# KiCad board Env-KB60C2.kicad_pcb (continued)
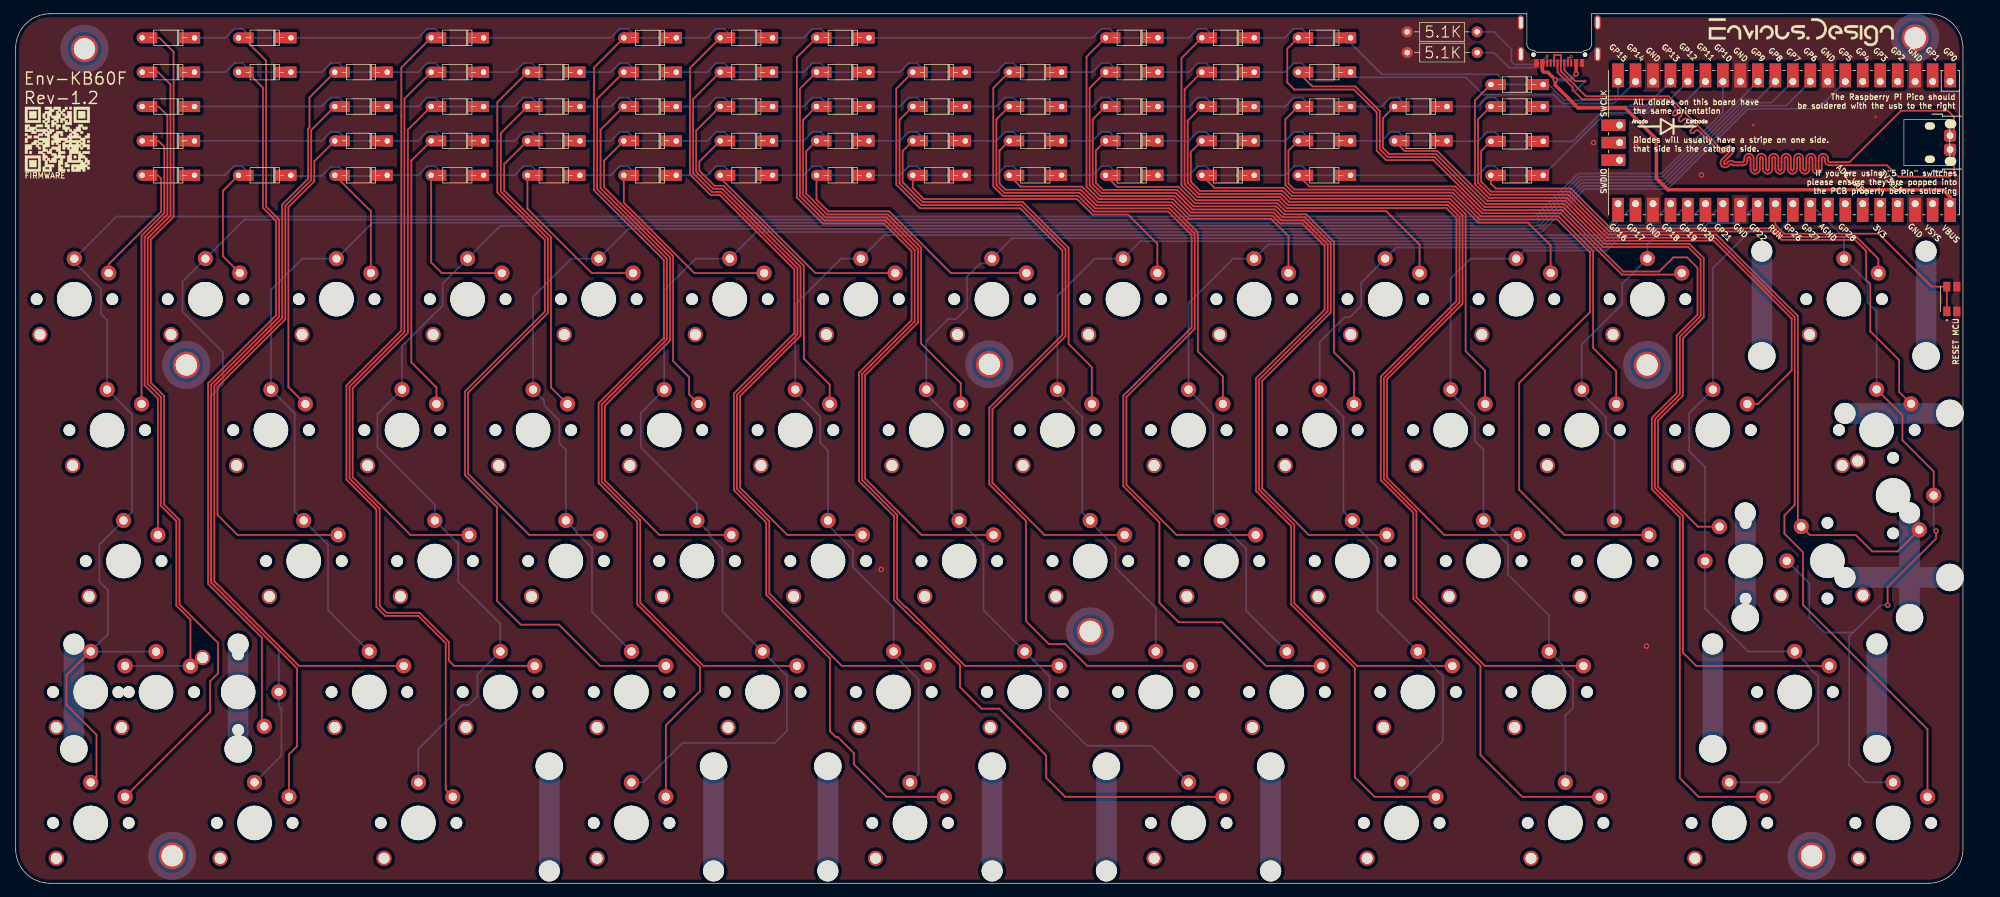
[diagram p0: board, top side]
## Routing (per net, layer and track width the routed paths; a pad name or vN(x,y) marks a point on that pad's centre or on a via; arc(x,y) is an arc through that point)
GND:
  vias: v1(125.8,45.65) v1(229.3,107.75) v1(235.5,107.75) v1(237,34.5) v1(245,103.05) v2(252.5,110.3) v2(270.3,111.5)
VBUS: length 77.8
  Top w0.5: v1(226.79,117.77) 226.77,117.78 USB1.A4 ; U1.40 281.13,99.87 280.1,100.9 240.1,100.9 238.45,102.55 238.45,108.25 233.9,112.8 227.06,112.8 223.75,116.11 v1(223.75,116.9) 222.67,117.98 222.12,117.98 221.88,118.22 USB1.A9
  Bottom w0.5: v1(226.79,117.77) 225.92,116.9 v1(223.75,116.9)
col0: length 349.1
  Top w0.25: K_45.1 9.73,32.55 9.65,32.55 7.4,30.3 7.4,25.95 11.75,21.6 11.75,15.52 K_58.1
  Bottom w0.25: K_45.1 13.4,36.22 13.4,42.65 12.17,43.88 12.17,49.28 K_30.1 16.9,54.01 16.9,68.21 K_15.1 13.29,81.94 12.4,82.83 12.4,86.5 8.53,90.38 K_1.1 14.65,97 220.8,97 227.05,103.25 239.16,103.25 248.11,112.2 U1.14 ; K_44.1 10.93,33.7
col1: length 322.9
  Bottom w0.25: K_59.1 38.62,18.58 38.62,25.43 38.24,25.81 K_46.1 38.24,33.89 28.35,43.78 28.35,70.85 30.1,72.6 30.1,77.3 24.25,83.15 24.25,87.55 K_2.1 33.25,96.55 221,96.55 227.25,102.8 239.35,102.8 U1.12
col2: length 289.7
  Bottom w0.25: U1.11 253.12,114.03 251.21,114.03 239.54,102.35 227.44,102.35 221.19,96.1 51.85,96.1 K_3.1 41.67,90.88 37.1,86.3 K_16.1 40.55,68.38 40.55,54.09 K_31.1 45.4,49.24 45.4,39.71 K_47.1
col3: length 297.7
  Bottom w0.25: K_60.1 58.53,19.53 64.91,25.91 65.79,25.91 67.1,27.22 67.1,30.39 K_48.1 70.44,37.74 64.32,43.85 64.32,49.36 K_32.1 60.91,55.11 52.57,63.45 52.57,68.25 K_17.1 56.15,78.15 62.05,84.05 62.05,87.25 K_4.1 70.45,95.65 221.38,95.65 227.63,101.9 239.72,101.9 251.4,113.58 255.2,113.58 U1.10
col4: length 256.1
  Bottom w0.25: U1.9 257.3,113.12 251.58,113.12 239.91,101.45 227.82,101.45 221.57,95.2 89.05,95.2 K_5.1 80.75,90.88 75.2,85.33 K_18.1 76.8,70.22 76.8,69.53 79.03,67.3 79.03,64.03 79.96,63.09 K_33.1 81.5,51.24 81.5,51.03 83.75,48.78 83.75,39.46 K_49.1
col5: length 284.2
  Bottom w0.25: K_610.1 91.18,14.68 96.9,20.4 110.32,20.4 112.07,22.15 112.07,30.19 K_50.1 102.72,39.54 102.72,48.66 100.83,50.55 100.83,50.96 K_34.1 99.01,55.24 90.85,63.4 90.85,68.42 K_19.1 94.25,86.28 98.85,90.88 K_6.1 107.65,94.75 221.75,94.75 228,101 240.1,101 251.77,112.67 261.93,112.67 U1.7
col6: length 202.8
  Bottom w0.25: K_51.1 127.59,40.09 121.65,46.03 121.65,48.53 118.06,52.11 ; U1.21 232.87,96.96 230.21,94.3 221.94,94.3 221.94,94.3 220.8,94.3 132.2,94.3 126.25,94.3 K_7.1 119.95,90.88 113.3,84.22 K_20.1 ; K_61.1 131.22,15.93 131.22,29.62 127.59,33.26 ; 113.3,71.55 116.93,67.92 116.93,64.08 118.06,62.94 K_35.1
col7: length 198.9
  Bottom w0.25: U1.22 230.4,93.85 144.85,93.85 K_8.1 141.18,90.17 140.18,90.17 138.25,88.25 138.25,83.65 136.7,82.1 135.55,82.1 132.35,78.9 K_21.1 ; K_612.1 165.12,20 155.7,20 150.25,25.45 150.25,30.11 K_52.1 140.65,39.71 140.65,49.24 K_36.1 136.03,53.86 136.03,67.5 132.35,71.17
col8: length 151.7
  Bottom w0.25: K_53.1 165.69,40.06 159.85,45.9 159.85,48.88 156.16,52.56 ; U1.24 237.33,95.7 232.95,95.7 230.65,93.4 224.55,93.4 163.45,93.4 K_9.1 156.82,90.88 151.4,85.45 K_22.1 ; K_37.1 155.03,53.91 155.03,67.78 151.4,71.4
col9: length 134.7
  Bottom w0.25: U1.25 239.87,95.7 237.97,95.7 237.52,95.25 233.14,95.25 230.84,92.95 226.95,92.95 182.05,92.95 K_10.1 176.93,90.88 170.45,84.4 K_23.1 172.35,69.92 172.35,69.83 174.05,68.12 174.05,53.94 K_38.1 ; 175.21,52.29 178.82,48.67 178.82,39.64 K_54.1
col10: length 139.5
  Bottom w0.25: K_62.1 207.4,20.67 207.4,30.11 K_55.1 197.9,39.61 197.9,48.8 194.26,52.44 ; K_39.1 192.95,54.09 192.95,58.92 192.98,58.95 192.98,67.83 189.5,71.3 ; K_24.1 189.5,78.72 193.1,82.33 193.88,82.33 195.55,84 195.55,87.4 K_11.1 200.65,92.5 231.02,92.5 233.32,94.8 237.7,94.8 238.15,95.25 240.06,95.25 240.51,95.7 242.41,95.7 U1.26
col11: length 124.7
  Bottom w0.25: K_25.1 208.55,87.97 211.45,90.88 K_12.1 219.25,92.05 231.21,92.05 233.51,94.35 237.89,94.35 238.34,94.8 240.24,94.8 240.69,95.25 242.6,95.25 243.05,95.7 244.95,95.7 U1.27 ; 208.55,71.33 212.05,67.83 212.05,64.35 213.31,63.09 K_40.1 216.88,49.21 216.88,44.9 222.84,38.94 K_56.1 224.93,31.64 224.93,31.05 226.32,29.65 226.32,25.5 225.22,24.39 K_63.1
col12: length 64.1
  Bottom w0.25: K_41.1 232.36,64.39 231.12,65.62 231.12,67.78 227.6,71.3 ; U1.29 250.38,96.05 245.94,96.05 245.14,95.25 243.25,95.25 242.8,94.8 241.18,94.8 240.88,94.8 240.43,94.35 238.55,94.35 237.12,92.93 K_13.1 233.48,87.22 233.48,84.25 227.6,78.38 K_26.1
col13: length 114.3
  Bottom w0.25: K_64.1 256.32,14.68 261.98,20.32 261.98,30.07 261.38,30.68 261.32,30.68 260.43,31.58 260.43,31.86 K_57.1 251.75,33.72 245.51,39.96 K_42.1 245.51,60.59 243.2,62.9 243.2,68.38 K_27.1 246.65,89.5 252,94.85 256.25,94.85 258.27,96.87 U1.31
col14: length 119.9
  Top w0.25: v1(279.1,51.25) 279.1,50.15 272.05,43.1 v1(272.05,40.45) ; K_43.1 278.74,59.91 274.2,64.45 274.2,68.1 K_28.1
  Bottom w0.25: K_43.1 278.74,51.61 v1(279.1,51.25) ; 267.34,36.81 266.45,35.92 266.45,17.15 268.93,14.68 K_65.1 ; 267.34,36.81 270.99,40.46 272.04,40.46 v1(272.05,40.45) ; 267.34,36.81 267,36.47 262.88,36.47 260.68,38.67 260.68,43.62 K_29.1 ; U1.32 265.7,93.97 K_14.1 269.12,87.45 269.12,84.5 270.45,83.17 K_28.1
row0: length 239.2
  Bottom w0.25: U1.15 242.45,113.53 238.65,113.53 237.22,112.1 231.1,112.1 D_14.1 216.3,103 215,104.3 213.8,104.3 212.5,103 D_13.1 188.3,103 187,104.3 185.8,104.3 184.5,103 D_12.1 174.3,103 173,104.3 171.8,104.3 170.5,103 D_11.1 160.3,103 159,104.3 157.8,104.3 156.5,103 D_10.1 146.3,103 145,104.3 143.8,104.3 142.5,103 D_9.1 132.3,103 131,104.3 129.8,104.3 128.5,103 D_8.1 118.3,103 117,104.3 115.8,104.3 114.5,103 D_7.1 104.3,103 103,104.3 101.8,104.3 100.5,103 D_6.1 90.3,103 89,104.3 87.8,104.3 86.5,103 D_5.1 76.3,103 75,104.3 73.8,104.3 72.5,103 D_4.1 62.3,103 61,104.3 59.8,104.3 58.5,103 D_3.1 ; 25.9,103 30.4,103 31.7,104.3 32.9,104.3 34.2,103 39.9,103 ; 40,102.9 44.5,102.9 45.8,104.2 47,104.2 48.3,102.9 54,102.9
row1: length 234.6
  Bottom w0.25: D_27.1 202.3,108 201,109.3 199.8,109.3 198.5,108 D_26.1 188.3,108 187,109.3 185.8,109.3 184.5,108 D_25.1 174.3,108 173,109.3 171.8,109.3 170.5,108 D_24.1 160.3,108 159,109.3 157.8,109.3 156.5,108 D_23.1 146.3,108 145,109.3 143.8,109.3 142.5,108 D_22.1 132.3,108 131,109.3 129.8,109.3 128.5,108 D_21.1 118.3,108 117,109.3 115.8,109.3 114.5,108 D_20.1 104.3,108 103,109.3 101.8,109.3 100.5,108 D_19.1 90.3,108 89,109.3 87.8,109.3 86.5,108 D_18.1 76.3,108 75,109.3 73.8,109.3 72.5,108 D_17.1 62.3,108 61,109.3 59.8,109.3 58.5,108 D_16.1 48.3,108 47,109.3 45.8,109.3 44.5,108 D_15.1 ; 208.02,107.95 212.52,107.95 213.82,109.25 215.02,109.25 216.32,107.95 222.02,107.95 ; D_28.1 226.3,107.94 230.91,112.55 237.04,112.55 238.46,113.97 240.37,113.97 U1.16
row2: length 230
  Bottom w0.25: D_29.1 44.5,113 45.8,114.3 47,114.3 48.3,113 D_30.1 58.5,113 59.8,114.3 61,114.3 62.3,113 D_31.1 72.5,113 73.8,114.3 75,114.3 76.3,113 D_32.1 86.5,113 87.8,114.3 89,114.3 90.3,113 D_33.1 100.5,113 101.8,114.3 103,114.3 104.3,113 D_34.1 114.5,113 115.8,114.3 117,114.3 118.3,113 D_35.1 128.5,113 129.8,114.3 131,114.3 132.3,113 D_36.1 142.5,113 143.8,114.3 145,114.3 146.3,113 D_37.1 156.5,113 157.8,114.3 159,114.3 160.3,113 D_38.1 170.5,113 171.8,114.3 173,114.3 174.3,113 D_39.1 184.5,113 185.8,114.3 187,114.3 188.3,113 D_40.1 198.5,113 199.8,114.3 201,114.3 202.3,113 D_41.1 212.5,113 213.8,114.3 215,114.3 216.3,113 D_42.1 236.85,113 U1.17
row3: length 225.5
  Bottom w0.25: D_43.1 30.5,118 31.8,119.3 33,119.3 34.3,118 D_44.1 44.5,118 45.8,119.3 47,119.3 48.3,118 D_45.1 58.5,118 59.8,119.3 61,119.3 62.3,118 D_46.1 72.5,118 73.8,119.3 75,119.3 76.3,118 D_47.1 86.5,118 87.8,119.3 89,119.3 90.3,118 D_48.1 100.5,118 101.8,119.3 103,119.3 104.3,118 D_49.1 114.5,118 115.8,119.3 117,119.3 118.3,118 D_50.1 128.5,118 129.8,119.3 131,119.3 132.3,118 D_51.1 142.5,118 143.8,119.3 145,119.3 146.3,118 D_52.1 156.5,118 157.8,119.3 159,119.3 160.3,118 D_53.1 170.5,118 171.8,119.3 173,119.3 174.3,118 D_54.1 184.44,118 185.74,119.3 186.94,119.3 188.24,118 D_55.1 194.76,117.24 210.76,117.24 213.25,114.75 223.5,114.75 224.8,113.45 232.22,113.45 U1.19
row4: length 221.9
  Bottom w0.25: U1.20 232.87,114.74 232.03,113.9 225.1,113.9 222.8,116.2 D_63.1 216.82,116.2 215.33,117.69 198.55,117.69 194,122.24 D_62.1 188.24,123 186.94,124.3 185.74,124.3 184.44,123 D_61.1 174.3,123 173,124.3 171.8,124.3 170.5,123 D_60.1 160.3,123 159,124.3 157.8,124.3 156.5,123 118.31,123 117.01,124.3 115.81,124.3 114.51,123 D_59.1 104.3,123 103,124.3 101.8,124.3 100.5,123 96,123 ; D_56.1 30.5,123 31.8,124.3 33,124.3 34.3,123 D_57.1 58.5,123 59.8,124.3 61,124.3 62.3,123 D_58.1 86.5,123 87.8,124.3 89,124.3 90.3,123 95.99,123
RUNPIN: length 33.2
  Top w0.25: SW1.1 SW1.1' 278.45,86.8 270.75,94.5 257.02,94.5 255.73,95.8 255.73,96.77
USB2_N: length 111.6
  Top w0.25: USB1.B7 225.07,118.26 226.64,116.7 v2(228.1,116.7) ; 281.7,106.16 281.7,103.45 281.05,102.8 273.6,102.8 271.95,104.45 263.6,104.45 arc(263.12,104.65) 262.93,105.12 262.93,105.45 arc(262.86,105.61) 262.7,105.67 arc(262.54,105.61) 262.48,105.45 262.48,103.9 arc(262.28,103.42) 261.8,103.22 arc(261.32,103.42) 261.12,103.9 261.12,105.45 arc(261.06,105.61) 260.9,105.67 arc(260.74,105.61) 260.68,105.45 260.68,103.9 arc(260.48,103.42) 260,103.22 arc(259.52,103.42) 259.32,103.9 259.32,105.45 arc(259.26,105.61) 259.1,105.67 arc(258.94,105.61) 258.88,105.45 258.88,103.9 arc(258.68,103.42) 258.2,103.22 arc(257.72,103.42) 257.52,103.9 257.52,105.45 arc(257.46,105.61) 257.3,105.67 arc(257.14,105.61) 257.07,105.45 257.07,103.9 arc(256.88,103.42) 256.4,103.22 arc(255.92,103.42) 255.73,103.9 255.73,105.45 arc(255.66,105.61) 255.5,105.67 arc(255.34,105.61) 255.27,105.45 255.27,103.9 arc(255.08,103.42) 254.6,103.22 arc(254.12,103.42) 253.93,103.9 253.93,105.45 arc(253.86,105.61) 253.7,105.67 arc(253.54,105.61) 253.48,105.45 253.48,103.9 arc(253.28,103.42) 252.8,103.22 arc(252.32,103.42) 252.12,103.9 252.12,105.45 arc(252.06,105.61) 251.9,105.67 arc(251.74,105.61) 251.68,105.45 251.68,105.12 arc(251.48,104.65) 251,104.45 249.6,104.45 249.47,104.58 arc(249.31,104.65) 249.15,104.58 248.92,104.35 arc(248.44,104.15) 247.97,104.35 arc(247.77,104.83) 247.97,105.31 249.06,106.4 arc(249.13,106.56) 249.06,106.72 arc(248.9,106.79) 248.74,106.72 248.51,106.49 arc(248.04,106.29) 247.56,106.49 244.57,109.47 arc(244.36,109.56) 244.15,109.48 243.88,109.2 arc(243.66,109.11) 243.45,109.2 arc(243.36,109.41) 243.45,109.62 243.73,109.9 arc(243.81,110.11) 243.73,110.32 arc(243.51,110.41) 243.3,110.32 243.03,110.05 arc(242.81,109.96) 242.6,110.05 arc(242.51,110.26) 242.6,110.47 242.88,110.75 arc(242.97,110.96) 242.88,111.17 arc(242.67,111.26) 242.45,111.17 242.18,110.9 arc(241.97,110.81) 241.75,110.9 arc(241.67,111.11) 241.75,111.32 242.03,111.6 arc(242.12,111.81) 242.03,112.02 arc(241.82,112.11) 241.61,112.02 241.33,111.74 arc(241.12,111.66) 240.91,111.74 arc(240.82,111.96) 240.91,112.17 241.18,112.44 arc(241.27,112.66) 241.18,112.87 240,114.05 227.65,114.05 v2(226.3,115.4) 226.3,115.76 224.07,117.99 USB1.A7
  Bottom w0.25: v2(228.1,116.7) 226.8,115.4 v2(226.3,115.4)
USB2_P: length 103
  Top w0.25: USB1.B6 223.57,120.5 224.57,120.5 USB1.A6 224.57,118.12 228.2,114.5 240.19,114.5 247.88,106.81 arc(248.04,106.74) 248.2,106.81 248.43,107.04 arc(248.9,107.24) 249.38,107.04 arc(249.58,106.56) 249.38,106.08 248.28,104.99 arc(248.22,104.83) 248.28,104.67 arc(248.44,104.6) 248.6,104.67 248.83,104.9 arc(249.31,105.1) 249.79,104.9 251,104.9 arc(251.16,104.97) 251.23,105.12 251.23,105.45 arc(251.42,105.93) 251.9,106.12 arc(252.38,105.93) 252.57,105.45 252.57,103.9 arc(252.64,103.74) 252.8,103.67 arc(252.96,103.74) 253.02,103.9 253.02,105.45 arc(253.22,105.93) 253.7,106.12 arc(254.18,105.93) 254.38,105.45 254.38,103.9 arc(254.44,103.74) 254.6,103.67 arc(254.76,103.74) 254.82,103.9 254.82,105.45 arc(255.02,105.93) 255.5,106.12 arc(255.98,105.93) 256.18,105.45 256.18,103.9 arc(256.24,103.74) 256.4,103.67 arc(256.56,103.74) 256.62,103.9 256.62,105.45 arc(256.82,105.93) 257.3,106.12 arc(257.78,105.93) 257.98,105.45 257.98,103.9 arc(258.04,103.74) 258.2,103.67 arc(258.36,103.74) 258.43,103.9 258.43,105.45 arc(258.62,105.93) 259.1,106.12 arc(259.58,105.93) 259.77,105.45 259.77,103.9 arc(259.84,103.74) 260,103.67 arc(260.16,103.74) 260.23,103.9 260.23,105.45 arc(260.42,105.93) 260.9,106.12 arc(261.38,105.93) 261.57,105.45 261.57,103.9 arc(261.64,103.74) 261.8,103.67 arc(261.96,103.74) 262.02,103.9 262.02,105.45 arc(262.22,105.93) 262.7,106.12 arc(263.18,105.93) 263.38,105.45 263.38,105.12 arc(263.44,104.97) 263.6,104.9 266.5,104.9 274,112.4 280.8,112.4 281.7,111.5 281.7,109.34
Net-(5.1K1-Pad1): length 16.6
  Top w0.15: USB1.A5 225.57,120.09 225.65,120.16 225.98,120.16 v2(226.1,120.29)
  Bottom w0.25: 5.1K1.1 214.85,120.85 217.04,118.66 221.52,118.66 222.46,119.61 225.42,119.61 v2(226.1,120.29)
Net-(5.1K2-Pad2): length 14.8
  Top w0.15: v2(222.58,120.36) 222.57,120.35 USB1.B5
  Bottom w0.25: 5.1K2.2 214.87,123.86 217.37,121.36 217.37,119.54 217.8,119.11 221.33,119.11 v2(222.58,120.36)
Net-(D_1-Pad2): length 19.9
  Top w0.25: D_1.2 20.65,103 21.15,102.5 21.15,97.69 13.53,90.07 13.53,88.78
Net-(D_2-Pad2): length 16.2
  Top w0.25: 32.58,88.78 30.11,91.23 30.11,100.73 D_2.2
Net-(D_3-Pad2): length 16.4
  Top w0.25: 51.62,88.78 51.62,97.75 D_3.2
Net-(D_4-Pad2): length 23.6
  Top w0.25: D_4.2 60.38,90.32 61.93,88.78 70.68,88.78
Net-(D_5-Pad2): length 24.1
  Top w0.25: 89.72,88.78 83.72,88.78 74.38,98.12 D_5.2
Net-(D_6-Pad2): length 28.6
  Top w0.25: D_6.2 88.38,99.03 98.63,88.78 108.78,88.78
Net-(D_7-Pad2): length 31.2
  Top w0.25: 102.38,102.62 116.22,88.78 127.82,88.78
Net-(D_8-Pad2): length 38.5
  Top w0.25: D_8.2 116.38,99.47 118.09,97.75 126.94,97.75 135.92,88.78 146.88,88.78
Net-(D_9-Pad2): length 45
  Top w0.25: D_9.2 130.38,101.16 131.98,99.55 154.24,99.55 156.51,97.28 161.67,97.28 165.93,93.03 165.93,88.78
Net-(D_10-Pad2): length 49.6
  Top w0.25: D_10.2 146.03,101.35 154.98,101.35 157.25,99.08 168.05,99.08 170.45,96.68 182.44,96.68 184.98,94.14 184.98,88.78
Net-(D_11-Pad2): length 54
  Top w0.25: 204.02,88.78 204.02,92.92 199.17,97.78 184.52,97.78 183.37,98.93 171.38,98.93 168.98,101.33 160.06,101.33 D_11.2
Net-(D_12-Pad2): length 58.9
  Top w0.25: 223.07,88.78 223.07,92.8 219.75,96.13 212.57,96.13 208.67,100.03 185.45,100.03 184.3,101.17 174.21,101.17 D_12.2
Net-(D_13-Pad2): length 61.5
  Top w0.25: 241.9,88.55 233.44,88.55 224.51,97.48 213.12,97.48 209.22,101.38 188,101.38 D_13.2
Net-(D_14-Pad2): length 64.1
  Top w0.25: 270.7,88.78 270.7,90.85 267.5,94.05 256.84,94.05 255.61,95.28 231.8,95.28 226,101.07 215.1,101.08 214.38,101.8 D_14.2
Net-(D_15-Pad2): length 42.4
  Top w0.25: D_15.2 20.75,108 21.6,107.15 21.6,97.51 18.29,94.2 K_15.2
Net-(D_16-Pad2): length 42.1
  Top w0.25: D_16.2 43.4,105.02 43.4,102.13 39.64,98.37 39.64,72.19 K_16.2
Net-(D_17-Pad2): length 41
  Top w0.25: K_17.2 61.15,72.12 57.5,75.78 57.5,105.12 D_17.2
Net-(D_18-Pad2): length 43.5
  Top w0.25: K_18.2 77.8,72.12 77.8,93.97 71,100.77 71,104.62 D_18.2
Net-(D_19-Pad2): length 45.2
  Top w0.25: K_19.2 97.87,71.1 97.87,73.63 95.55,75.95 95.55,91.22 85.5,101.27 85.5,105.12 D_19.2
Net-(D_20-Pad2): length 48.2
  Top w0.25: K_20.2 118.3,72.58 114.55,76.32 114.55,89.81 102.89,101.47 101.56,101.47 99.35,103.69 99.35,104.97 D_20.2
Net-(D_21-Pad2): length 53.4
  Top w0.25: K_21.2 137.35,72.75 131.57,78.53 131.57,92.49 126.76,97.3 117.91,97.3 114.88,100.34 114.88,106.5 D_21.2
Net-(D_22-Pad2): length 58.8
  Top w0.25: K_22.2 156.4,75.08 153.02,78.45 153.02,92.44 146.36,99.1 131.8,99.1 128.9,102 128.9,106.52 D_22.2
Net-(D_23-Pad2): length 65
  Top w0.25: D_23.2 142.97,106.59 142.97,101.78 143.85,100.9 154.8,100.9 157.07,98.63 167.86,98.63 171.8,94.69 171.8,77.38 175.45,73.72 K_23.2
Net-(D_24-Pad2): length 69.6
  Top w0.25: K_24.2 194.5,74.33 191.57,77.25 191.57,93.3 187.55,97.33 184.33,97.33 183.18,98.48 171.19,98.48 168.8,100.88 158,100.88 156.97,101.9 156.97,106.59 D_24.2
Net-(D_25-Pad2): length 77.3
  Top w0.25: D_25.2 170.78,106.4 170.78,102.08 172.12,100.73 184.11,100.73 185.26,99.58 208.48,99.58 210.73,97.33 210.73,77.4 213.55,74.58 K_25.2
Net-(D_26-Pad2): length 78.8
  Top w0.25: D_26.2 184.98,106.59 184.98,101.78 185.82,100.93 209.04,100.93 212.94,97.03 224.2,97.03 229.25,91.97 229.25,77.88 232.6,74.53 K_26.2
Net-(D_27-Pad2): length 84.4
  Top w0.25: D_27.2 201.83,106.55 206.59,106.55 213.87,99.28 225.26,99.28 231.06,93.48 246.79,93.48 258.1,82.16 258.1,74.62 253.21,69.72 K_27.2
Net-(D_28-Pad2): length 91.5
  Top w0.25: K_28.2 273.73,71.47 273.73,76.1 269.52,80.3 269.52,87.17 268.93,87.78 268.93,91.99 267.31,93.6 256.65,93.6 255.43,94.83 231.61,94.83 225.81,100.63 214.42,100.63 212.98,102.08 212.98,106.52 D_28.2
Net-(D_29-Pad2): length 67.4
  Top w0.25: K_30.2 20.67,70.53 18.74,72.46 18.74,94.01 22.05,97.32 22.05,111.7 20.75,113 D_29.2
Net-(D_30-Pad2): length 85.2
  Top w0.25: K_31.2 32.25,50.67 29.32,53.6 29.32,72.19 39.19,82.06 39.19,98.55 42.95,102.31 42.95,109.57 D_30.2
Net-(D_31-Pad2): length 79.1
  Top w0.25: D_31.2 57,109.62 57,80.08 48.97,72.05 48.97,59.08 57.38,50.67 K_32.2
Net-(D_32-Pad2): length 85.6
  Top w0.25: D_32.2 70.5,109.12 70.5,100.64 77.35,93.79 77.35,82.96 65.75,71.36 65.75,59.56 74.64,50.67 K_33.2
Net-(D_33-Pad2): length 85.6
  Top w0.25: K_34.2 93.55,50.67 85.62,58.6 85.62,69.48 95.1,78.95 95.1,91.04 85,101.14 85,109.62 D_33.2
Net-(D_34-Pad2): length 88.2
  Top w0.25: K_35.2 112.15,50.67 105.27,57.55 105.27,70.88 114.06,79.66 114.06,89.67 102.7,101.03 101.38,101.03 98.9,103.5 98.9,109.52 D_34.2
Net-(D_35-Pad2): length 92.3
  Top w0.25: K_36.2 131.65,50.67 123.45,58.87 123.45,73.9 131.12,81.58 131.12,92.3 126.57,96.85 117.72,96.85 114.43,100.15 114.43,111.05 D_35.2
Net-(D_36-Pad2): length 100.8
  Top w0.25: D_36.2 128.45,111.07 128.45,101.81 131.61,98.65 146.17,98.65 152.57,92.25 152.57,79.59 141.95,68.96 141.95,58.24 149.51,50.67 K_37.2
Net-(D_37-Pad2): length 106.4
  Top w0.25: D_37.2 142.53,111.15 142.53,101.59 143.66,100.45 154.61,100.45 156.88,98.18 167.68,98.18 171.35,94.51 171.35,80.66 161.42,70.74 161.42,57.96 168.71,50.67 K_38.2
Net-(D_38-Pad2): length 110.9
  Top w0.25: K_39.2 187.92,50.67 181.15,57.45 181.15,73.08 191.13,83.05 191.13,93.11 187.36,96.88 184.15,96.88 183,98.03 171.01,98.03 168.61,100.43 157.81,100.43 156.53,101.71 156.53,111.15 D_38.2
Net-(D_39-Pad2): length 119
  Top w0.25: K_40.2 207.62,50.67 199.3,59 199.3,73.33 210.28,84.3 210.28,97.15 208.29,99.13 185.08,99.13 183.93,100.28 171.94,100.28 170.33,101.89 170.33,110.95 D_39.2
Net-(D_40-Pad2): length 120.9
  Top w0.25: K_41.2 225.07,50.67 218.5,57.25 218.5,72.8 228.8,83.1 228.8,91.79 224.01,96.58 212.75,96.58 208.85,100.48 185.64,100.48 184.53,101.59 184.53,111.15 D_40.2
Net-(D_41-Pad2): length 107.3
  Top w0.25: D_41.2 198.7,111.32 198.7,106.97 199.57,106.1 206.41,106.1 213.68,98.83 225.07,98.83 230.87,93.03 243.24,93.03 245.32,90.94 245.32,82.35 242.3,79.33 242.3,70.95 238.67,67.33 238.67,57.7 244.5,51.88 K_42.2
Net-(D_42-Pad2): length 116.5
  Top w0.25: D_42.2 212.53,111.15 212.53,101.89 214.24,100.18 225.63,100.18 225.89,99.91 231.43,94.38 247.16,94.38 259,82.54 259,52.4 ; K_43.2 273.49,48.28 269.8,48.28 267.43,50.65 260.75,50.65 K_29.2
Net-(D_43-Pad2): length 102.9
  Top w0.25: K_44.2 25.4,38.34 23.35,40.39 23.35,52.67 21.12,54.91 21.12,70.72 19.19,72.65 19.19,93.82 22.5,97.14 22.5,116.2 20.7,118 D_43.2
  Bottom w0.25: K_45.2 25.38,31.62
Net-(D_44-Pad2): length 105.1
  Top w0.25: 35.78,23.19 35.78,35.75 27.97,43.55 27.97,72.75 37.84,82.61 37.84,96.36 35.95,98.25 35.95,115.72 33.67,118 D_44.2
Net-(D_45-Pad2): length 113.9
  Top w0.25: K_47.2 41.17,31.62 28.87,43.92 28.87,72.38 38.74,82.24 38.74,98.74 42.5,102.5 42.5,109.76 42.7,109.96 42.7,114.32 D_45.2
Net-(D_46-Pad2): length 112.1
  Top w0.25: D_46.2 56.5,114.12 56.5,80.21 48.53,72.24 48.53,58.89 52.9,54.51 52.9,40.35 53.9,39.35 58.71,39.35 62.95,35.11 62.95,32.4 63.72,31.62 K_48.2
Net-(D_47-Pad2): length 116.8
  Top w0.25: K_49.2 84.95,31.62 78.95,37.62 73.4,37.62 69.95,41.08 69.95,54.72 65.3,59.38 65.3,71.55 76.9,83.15 76.9,93.6 70,100.5 70,113.62 D_47.2
Net-(D_48-Pad2): length 115.8
  Top w0.25: K_50.2 99.94,31.62 90.77,40.79 90.77,52.81 85.17,58.41 85.17,69.66 94.65,79.14 94.65,90.85 84.5,101 84.5,114.12 D_48.2
Net-(D_49-Pad2): length 117.5
  Top w0.25: D_49.2 98.45,114.07 98.45,103.31 101.19,100.58 102.52,100.58 113.61,89.48 113.61,79.85 104.82,71.06 104.82,57.36 109.52,52.66 109.52,42.16 120.06,31.62 K_51.2
Net-(D_50-Pad2): length 122.6
  Top w0.25: D_50.2 113.98,115.6 113.98,99.96 117.53,96.41 126.38,96.41 130.65,92.14 130.65,81.74 123,74.09 123,58.69 128.1,53.59 128.1,41.39 129.34,40.14 129.44,40.14 137.96,31.62 K_52.2
Net-(D_51-Pad2): length 132.6
  Top w0.25: D_51.2 127.97,115.59 127.97,101.65 131.43,98.2 145.99,98.2 152.12,92.06 152.12,79.78 141.5,69.15 141.5,58.05 146.82,52.72 146.82,38.12 150.15,34.8 152.55,34.8 155.72,31.62 K_53.2
Net-(D_52-Pad2): length 136.4
  Top w0.25: K_54.2 181.7,31.62 175.35,37.97 169.03,37.97 166.22,40.78 166.22,52.53 160.97,57.78 160.97,70.92 170.9,80.85 170.9,94.32 167.49,97.73 156.7,97.73 154.42,100 143.48,100 142.08,101.4 142.08,115.7 D_52.2
Net-(D_53-Pad2): length 140.8
  Top w0.25: D_53.2 156.08,115.7 156.08,101.53 157.63,99.98 168.42,99.98 170.82,97.58 182.81,97.58 183.96,96.43 187.17,96.43 190.68,92.93 190.68,83.24 180.7,73.26 180.7,57.26 185.82,52.14 185.82,40.74 194.94,31.62 K_55.2
Net-(D_54-Pad2): length 149.5
  Top w0.25: D_54.2 169.88,115.5 169.88,101.7 171.75,99.83 183.74,99.83 184.89,98.68 208.11,98.68 209.83,96.96 209.83,84.49 198.85,73.51 198.85,58.81 203.57,54.09 203.57,41.56 213.51,31.62 K_56.2
Net-(D_55-Pad2): length 156.7
  Top w0.25: D_55.2 188.45,115.92 194.67,115.92 198.25,112.35 198.25,106.79 199.39,105.65 206.22,105.65 213.49,98.38 224.88,98.38 230.68,92.58 243.05,92.58 244.87,90.76 244.87,82.54 241.85,79.51 241.85,71.14 238.22,67.51 238.22,57.51 242.3,53.44 242.3,33.55 244.23,31.62 K_57.2
Net-(D_56-Pad2): length 124.8
  Top w0.25: K_58.2 28.28,24.94 28.28,29.4 29.4,30.53 29.4,34.97 23.8,40.58 23.8,52.86 21.57,55.09 21.57,70.9 19.64,72.84 19.64,93.64 22.95,96.95 22.95,120.95 20.9,123 D_56.2
Net-(D_57-Pad2): length 122.3
  Top w0.25: D_57.2 36.4,119.67 36.4,98.44 38.29,96.55 38.29,82.43 28.42,72.56 28.42,43.74 40.9,31.26 40.9,19.93 39.72,18.74 K_59.2
Net-(D_58-Pad2): length 124.7
  Top w0.25: K_60.2 62.5,13.61 62.5,34.93 58.53,38.9 53.71,38.9 52.43,40.19 52.43,54.35 48.08,58.7 48.08,72.42 56.05,80.4 56.05,111.58 56.05,118.67 D_58.2
Net-(D_59-Pad2): length 140.7
  Top w0.25: K_61.2 126.55,12.57 121.8,17.32 121.8,18.95 119.47,21.28 119.18,21.28 118.35,22.1 118.35,32.7 109.07,41.97 109.07,52.47 104.38,57.17 104.38,71.25 113.16,80.04 113.16,89.29 102.33,100.13 101,100.13 98,103.13 98,118.62 D_59.2
Net-(D_60-Pad2): length 161.3
  Top w0.25: D_60.2 155.63,120.25 155.63,101.34 157.44,99.53 168.24,99.53 170.63,97.13 182.62,97.13 183.77,95.98 186.99,95.98 190.23,92.74 190.23,83.43 180.25,73.45 180.25,57.08 185.38,51.95 185.38,40.55 194.62,31.3 194.62,15.43 197.48,12.57 K_62.2
Net-(D_61-Pad2): length 173.1
  Top w0.25: K_63.2 218.95,12.57 212.88,18.65 212.88,31.62 203.12,41.38 203.12,53.9 198.4,58.62 198.4,73.7 209.38,84.68 209.38,96.77 207.92,98.23 184.7,98.23 183.56,99.38 171.57,99.38 169.43,101.52 169.43,120.05 D_61.2
Net-(D_62-Pad2): length 174.9
  Top w0.25: K_64.2 244.57,12.57 241.85,15.3 241.85,53.25 237.77,57.33 237.77,67.7 241.4,71.33 241.4,79.7 244.43,82.72 244.43,89.53 242.9,91.05 240.9,91.05 238.85,89 233.63,89 224.7,97.93 213.31,97.93 206.03,105.2 199.17,105.2 197.8,106.57 197.8,112.16 194.48,115.48 185.82,115.48 184.8,116.5 184.8,121.42 D_62.2
Net-(D_63-Pad2): length 149
  Top w0.25: D_63.2 212.08,113.9 212.08,101.7 214.05,99.73 225.44,99.73 231.24,93.93 246.97,93.93 258.55,82.35 258.55,55.03 257.05,53.53 257.05,50.85 259.75,48.15 259.75,40.5 277.84,22.41 K_65.2
Net-(D_590-Pad2): length 128.5
  Top w0.25: D_590.2 84.05,118.66 84.05,105.59 84.04,105.58 84.04,100.83 94.2,90.66 94.2,79.32 84.72,69.85 84.72,58.22 90.32,52.62 90.32,40.6 99.45,31.47 99.45,27.93 94.49,22.96 K_610.2
Net-(D_591-Pad2): length 163.8
  Top w0.25: D_591.2 113.53,120.14 113.53,99.77 117.34,95.96 126.2,95.96 130.2,91.95 130.2,81.92 122.55,74.27 122.55,58.5 127.65,53.4 127.65,41.2 130.95,37.9 131.05,37.9 137.25,31.7 137.25,28.53 140.38,25.4 142.95,25.4 149.75,18.6 149.75,15.35 152.53,12.57 K_612.2

## Copper pours and planes (outline as drawn; the poured copper is in the pictures)
GND on Top, Bottom: 283,0 0,0 0,126.6 283,126.6

## Text on the board
B.Silkscreen: Parts Needed: / 70x 1n4148 Diodes / 2x  5.1K 1/4W resistors / 70x switches / 7x  2u Kailh Choc stabilizers (or 1x6.25u + 4x 2u stabs) / 1x  Raspberry Pi Pico / 2x  1x20 Male and/or female headers / 10x M2 mounting hardware. / 1x Type-C-31-M-14 | https://github.com/Envious-Data/Env-KB60F
F.Silkscreen: FIRMWARE | All diodes on this board have / the same orientation | Diodes will usually have a stripe on one side. / that side is the cathode side. | The Raspberry Pi Pico should / be soldered with the usb to the right | If you are using "5 Pin" switches / please ensure they are popped into / the PCB properly before soldering | RESET MCU | 5.1K | Env-KB60F / Rev-1.2
